# EAGLE board Mk4 Final a Panel score 2x5 (EAGLE 9.0.1), part 22 of 29 (continued)
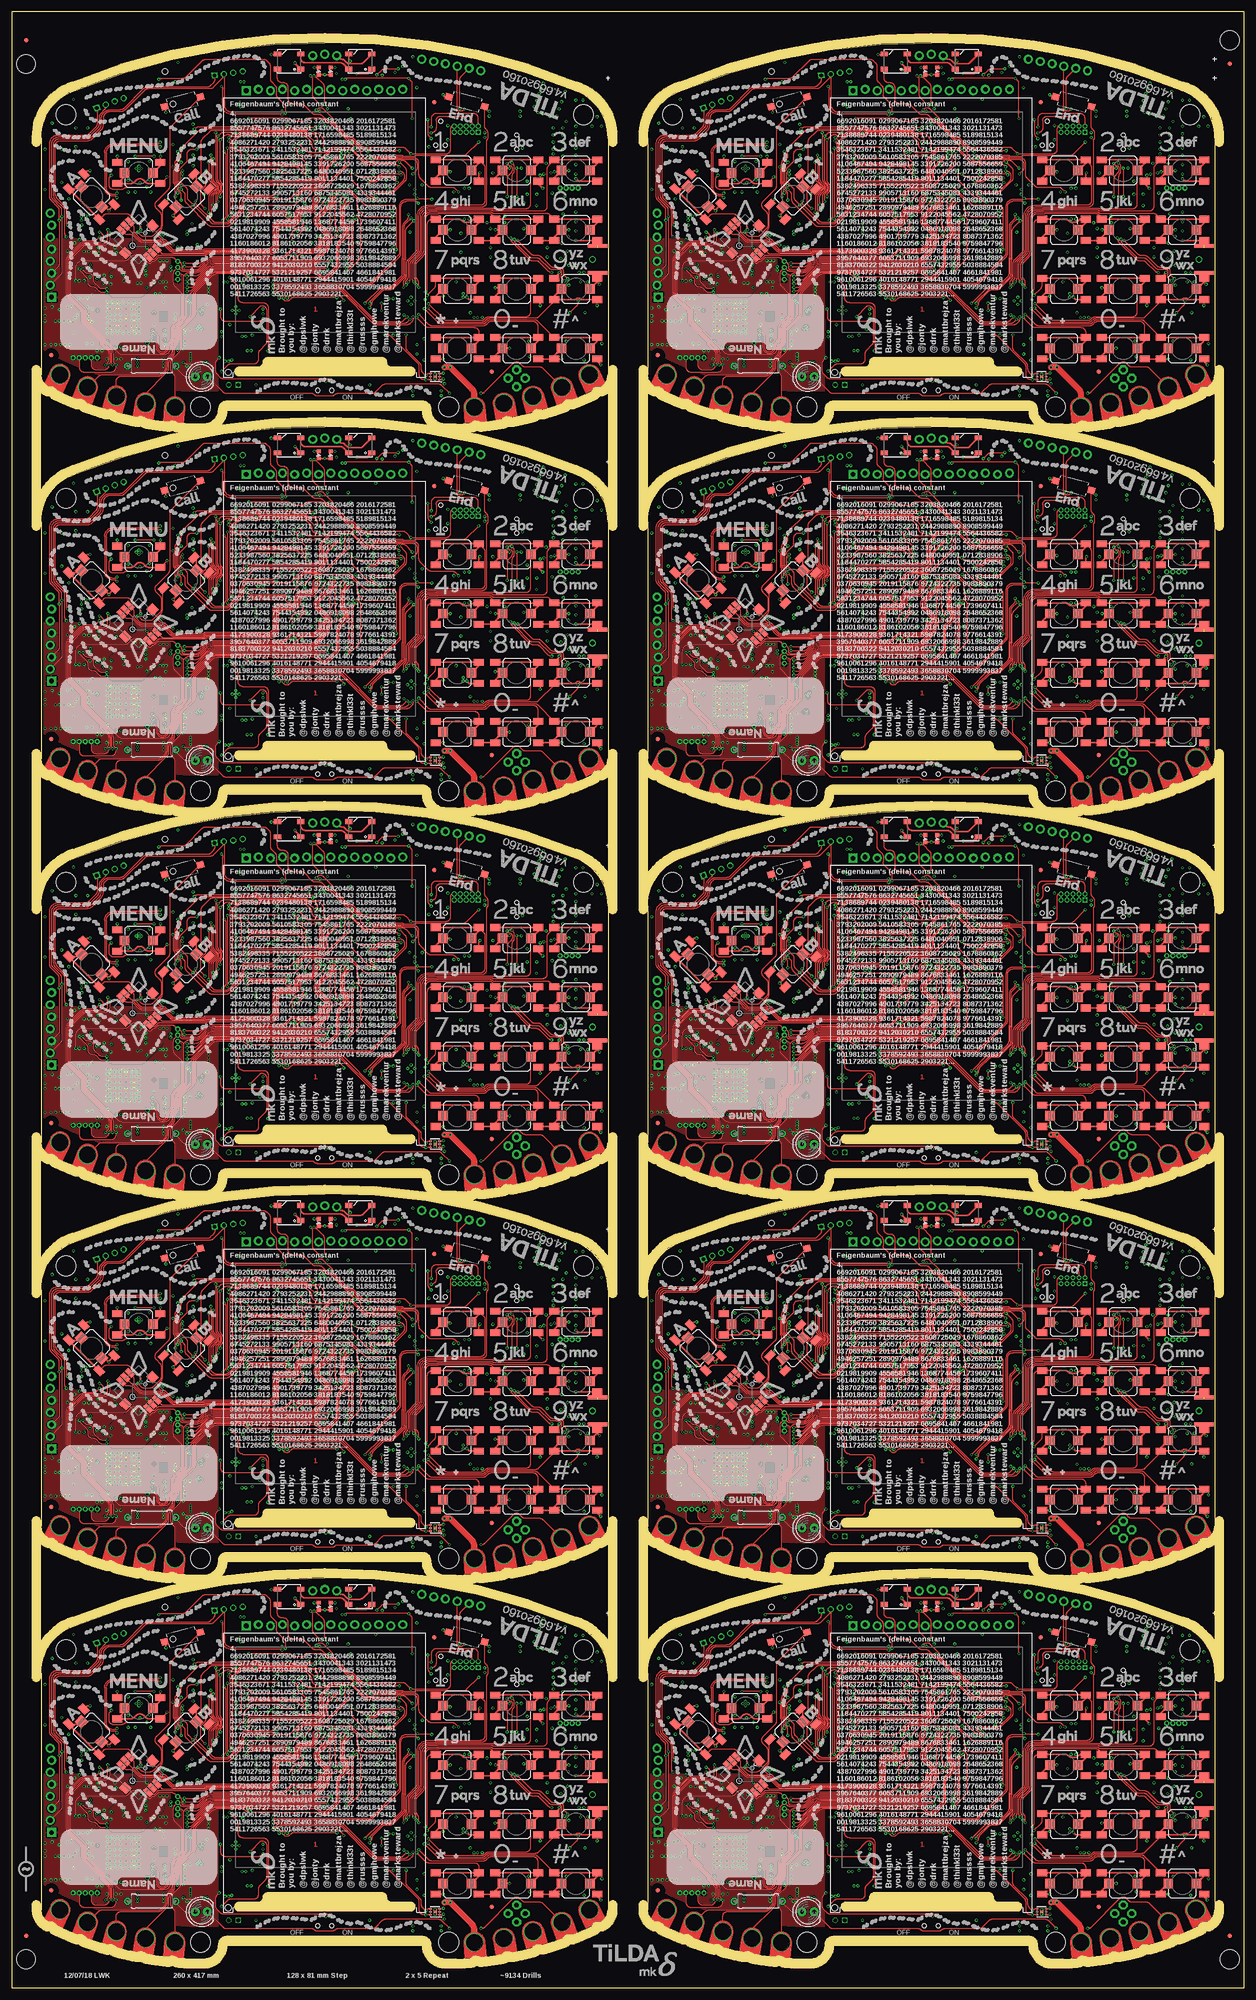
[diagram p0: board, top side]
## Tracks (layer width: path | path; a pad name or v marks a point on that pad's centre or on a via) (continued)
SIM_CLK  (via drill 0.3)
  Top 0.2: v106,45 106,44.91 arc45 106.29,44.21 109.21,41.29 arc45 109.91,41 110.84,41 arc-45 111.54,40.71 113.36,38.89 arc45 114.06,38.6 114.9,38.6 114.95,38.55 115.55,38.55 arc-90 116.05,38.05 116.05,37.8 arc-45 115.99,37.66 115.96,37.62 arc45 115.9,37.48 115.9,37.16 arc45 116.05,36.8 v116.65,36.2 | v105.5,61.15 105.5,61.12 105.75,60.87 arc-45 105.9,60.52 105.9,59.2 arc-45 105.79,58.94 arc45 105.5,58.24 v105.5,54
  3V3@2 0.2: v116.65,36.2 116.75,36.1 118,36.1 118.75,35.35 118.75,31.7 v120.93,29.52
  Bottom 0.2: J1.C3 v120.93,29.52 | v105.5,54 arc45 105.25,53.4 105.25,47.34 arc-45 105.03,46.81 104.67,46.45 arc45 104.45,45.92 104.45,45.48 arc45 104.6,45.13 104.9,44.83 arc90 105.6,44.83 105.78,45 v106,45 | R27.2 105.5,59.72 105.55,59.77 105.55,60.23 105.5,60.28 v105.5,61.15 | IC10.2 116.45,36.4 v116.65,36.2
SIM_CLK1  (via drill 0.3)
  Top 0.2: v234,45 234,44.91 arc45 234.29,44.21 237.21,41.29 arc45 237.91,41 238.84,41 arc-45 239.54,40.71 241.36,38.89 arc45 242.06,38.6 242.9,38.6 242.95,38.55 243.55,38.55 arc-90 244.05,38.05 244.05,37.8 arc-45 243.99,37.66 243.96,37.62 arc45 243.9,37.48 243.9,37.16 arc45 244.05,36.8 v244.65,36.2 | v233.5,61.15 233.5,61.12 233.75,60.87 arc-45 233.9,60.52 233.9,59.2 arc-45 233.79,58.94 arc45 233.5,58.24 v233.5,54
  3V3@2 0.2: v244.65,36.2 244.75,36.1 246,36.1 246.75,35.35 246.75,31.7 v248.93,29.52
  Bottom 0.2: J14.C3 v248.93,29.52 | v233.5,54 arc45 233.25,53.4 233.25,47.34 arc-45 233.03,46.81 232.67,46.45 arc45 232.45,45.92 232.45,45.48 arc45 232.6,45.13 232.9,44.83 arc90 233.6,44.83 233.78,45 v234,45 | R109.2 233.5,59.72 233.55,59.77 233.55,60.23 233.5,60.28 v233.5,61.15 | IC25.2 244.45,36.4 v244.65,36.2
SIM_CLK2  (via drill 0.3)
  Top 0.2: v106,126 106,125.91 arc45 106.29,125.21 109.21,122.29 arc45 109.91,122 110.84,122 arc-45 111.54,121.71 113.36,119.89 arc45 114.06,119.6 114.9,119.6 114.95,119.55 115.55,119.55 arc-90 116.05,119.05 116.05,118.8 arc-45 115.99,118.66 115.96,118.62 arc45 115.9,118.48 115.9,118.16 arc45 116.05,117.8 v116.65,117.2 | v105.5,142.15 105.5,142.12 105.75,141.87 arc-45 105.9,141.52 105.9,140.2 arc-45 105.79,139.94 arc45 105.5,139.24 v105.5,135
  3V3@2 0.2: v116.65,117.2 116.75,117.1 118,117.1 118.75,116.35 118.75,112.7 v120.93,110.52
  Bottom 0.2: J24.C3 v120.93,110.52 | v105.5,135 arc45 105.25,134.4 105.25,128.34 arc-45 105.03,127.81 104.67,127.45 arc45 104.45,126.92 104.45,126.48 arc45 104.6,126.13 104.9,125.83 arc90 105.6,125.83 105.78,126 v106,126 | R187.2 105.5,140.72 105.55,140.77 105.55,141.23 105.5,141.28 v105.5,142.15 | IC43.2 116.45,117.4 v116.65,117.2
SIM_CLK3  (via drill 0.3)
  Top 0.2: v234,126 234,125.91 arc45 234.29,125.21 237.21,122.29 arc45 237.91,122 238.84,122 arc-45 239.54,121.71 241.36,119.89 arc45 242.06,119.6 242.9,119.6 242.95,119.55 243.55,119.55 arc-90 244.05,119.05 244.05,118.8 arc-45 243.99,118.66 243.96,118.62 arc45 243.9,118.48 243.9,118.16 arc45 244.05,117.8 v244.65,117.2 | v233.5,142.15 233.5,142.12 233.75,141.87 arc-45 233.9,141.52 233.9,140.2 arc-45 233.79,139.94 arc45 233.5,139.24 v233.5,135
  3V3@2 0.2: v244.65,117.2 244.75,117.1 246,117.1 246.75,116.35 246.75,112.7 v248.93,110.52
  Bottom 0.2: J34.C3 v248.93,110.52 | v233.5,135 arc45 233.25,134.4 233.25,128.34 arc-45 233.03,127.81 232.67,127.45 arc45 232.45,126.92 232.45,126.48 arc45 232.6,126.13 232.9,125.83 arc90 233.6,125.83 233.78,126 v234,126 | R265.2 233.5,140.72 233.55,140.77 233.55,141.23 233.5,141.28 v233.5,142.15 | IC61.2 244.45,117.4 v244.65,117.2
SIM_CLK4  (via drill 0.3)
  Top 0.2: v106,207 106,206.91 arc45 106.29,206.21 109.21,203.29 arc45 109.91,203 110.84,203 arc-45 111.54,202.71 113.36,200.89 arc45 114.06,200.6 114.9,200.6 114.95,200.55 115.55,200.55 arc-90 116.05,200.05 116.05,199.8 arc-45 115.99,199.66 115.96,199.62 arc45 115.9,199.48 115.9,199.16 arc45 116.05,198.8 v116.65,198.2 | v105.5,223.15 105.5,223.12 105.75,222.87 arc-45 105.9,222.52 105.9,221.2 arc-45 105.79,220.94 arc45 105.5,220.24 v105.5,216
  3V3@2 0.2: v116.65,198.2 116.75,198.1 118,198.1 118.75,197.35 118.75,193.7 v120.93,191.52
  Bottom 0.2: J44.C3 v120.93,191.52 | v105.5,216 arc45 105.25,215.4 105.25,209.34 arc-45 105.03,208.81 104.67,208.45 arc45 104.45,207.92 104.45,207.48 arc45 104.6,207.13 104.9,206.83 arc90 105.6,206.83 105.78,207 v106,207 | R343.2 105.5,221.72 105.55,221.77 105.55,222.23 105.5,222.28 v105.5,223.15 | IC79.2 116.45,198.4 v116.65,198.2
SIM_CLK5  (via drill 0.3)
  Top 0.2: v234,207 234,206.91 arc45 234.29,206.21 237.21,203.29 arc45 237.91,203 238.84,203 arc-45 239.54,202.71 241.36,200.89 arc45 242.06,200.6 242.9,200.6 242.95,200.55 243.55,200.55 arc-90 244.05,200.05 244.05,199.8 arc-45 243.99,199.66 243.96,199.62 arc45 243.9,199.48 243.9,199.16 arc45 244.05,198.8 v244.65,198.2 | v233.5,223.15 233.5,223.12 233.75,222.87 arc-45 233.9,222.52 233.9,221.2 arc-45 233.79,220.94 arc45 233.5,220.24 v233.5,216
  3V3@2 0.2: v244.65,198.2 244.75,198.1 246,198.1 246.75,197.35 246.75,193.7 v248.93,191.52
  Bottom 0.2: J54.C3 v248.93,191.52 | v233.5,216 arc45 233.25,215.4 233.25,209.34 arc-45 233.03,208.81 232.67,208.45 arc45 232.45,207.92 232.45,207.48 arc45 232.6,207.13 232.9,206.83 arc90 233.6,206.83 233.78,207 v234,207 | R421.2 233.5,221.72 233.55,221.77 233.55,222.23 233.5,222.28 v233.5,223.15 | IC97.2 244.45,198.4 v244.65,198.2
SIM_CLK6  (via drill 0.3)
  Top 0.2: v106,288 106,287.91 arc45 106.29,287.21 109.21,284.29 arc45 109.91,284 110.84,284 arc-45 111.54,283.71 113.36,281.89 arc45 114.06,281.6 114.9,281.6 114.95,281.55 115.55,281.55 arc-90 116.05,281.05 116.05,280.8 arc-45 115.99,280.65 115.96,280.62 arc45 115.9,280.48 115.9,280.16 arc45 116.05,279.8 v116.65,279.2 | v105.5,304.15 105.5,304.12 105.75,303.87 arc-45 105.9,303.52 105.9,302.2 arc-45 105.79,301.94 arc45 105.5,301.24 v105.5,297
  3V3@2 0.2: v116.65,279.2 116.75,279.1 118,279.1 118.75,278.35 118.75,274.7 v120.93,272.52
  Bottom 0.2: J64.C3 v120.93,272.52 | v105.5,297 arc45 105.25,296.4 105.25,290.34 arc-45 105.03,289.81 104.67,289.45 arc45 104.45,288.92 104.45,288.48 arc45 104.6,288.13 104.9,287.83 arc90 105.6,287.83 105.78,288 v106,288 | R499.2 105.5,302.72 105.55,302.77 105.55,303.23 105.5,303.28 v105.5,304.15 | IC115.2 116.45,279.4 v116.65,279.2
SIM_CLK7  (via drill 0.3)
  Top 0.2: v234,288 234,287.91 arc45 234.29,287.21 237.21,284.29 arc45 237.91,284 238.84,284 arc-45 239.54,283.71 241.36,281.89 arc45 242.06,281.6 242.9,281.6 242.95,281.55 243.55,281.55 arc-90 244.05,281.05 244.05,280.8 arc-45 243.99,280.65 243.96,280.62 arc45 243.9,280.48 243.9,280.16 arc45 244.05,279.8 v244.65,279.2 | v233.5,304.15 233.5,304.12 233.75,303.87 arc-45 233.9,303.52 233.9,302.2 arc-45 233.79,301.94 arc45 233.5,301.24 v233.5,297
  3V3@2 0.2: v244.65,279.2 244.75,279.1 246,279.1 246.75,278.35 246.75,274.7 v248.93,272.52
  Bottom 0.2: J74.C3 v248.93,272.52 | v233.5,297 arc45 233.25,296.4 233.25,290.34 arc-45 233.03,289.81 232.67,289.45 arc45 232.45,288.92 232.45,288.48 arc45 232.6,288.13 232.9,287.83 arc90 233.6,287.83 233.78,288 v234,288 | R577.2 233.5,302.72 233.55,302.77 233.55,303.23 233.5,303.28 v233.5,304.15 | IC133.2 244.45,279.4 v244.65,279.2
SIM_CLK8  (via drill 0.3)
  Top 0.2: v106,369 106,368.91 arc45 106.29,368.21 109.21,365.29 arc45 109.91,365 110.84,365 arc-45 111.54,364.71 113.36,362.89 arc45 114.06,362.6 114.9,362.6 114.95,362.55 115.55,362.55 arc-90 116.05,362.05 116.05,361.8 arc-45 115.99,361.65 115.96,361.62 arc45 115.9,361.48 115.9,361.16 arc45 116.05,360.8 v116.65,360.2 | v105.5,385.15 105.5,385.12 105.75,384.87 arc-45 105.9,384.52 105.9,383.2 arc-45 105.79,382.94 arc45 105.5,382.24 v105.5,378
  3V3@2 0.2: v116.65,360.2 116.75,360.1 118,360.1 118.75,359.35 118.75,355.7 v120.93,353.52
  Bottom 0.2: J84.C3 v120.93,353.52 | v105.5,378 arc45 105.25,377.4 105.25,371.34 arc-45 105.03,370.81 104.67,370.45 arc45 104.45,369.92 104.45,369.48 arc45 104.6,369.13 104.9,368.83 arc90 105.6,368.83 105.78,369 v106,369 | R655.2 105.5,383.72 105.55,383.77 105.55,384.23 105.5,384.28 v105.5,385.15 | IC151.2 116.45,360.4 v116.65,360.2
SIM_CLK9  (via drill 0.3)
  Top 0.2: v234,369 234,368.91 arc45 234.29,368.21 237.21,365.29 arc45 237.91,365 238.84,365 arc-45 239.54,364.71 241.36,362.89 arc45 242.06,362.6 242.9,362.6 242.95,362.55 243.55,362.55 arc-90 244.05,362.05 244.05,361.8 arc-45 243.99,361.65 243.96,361.62 arc45 243.9,361.48 243.9,361.16 arc45 244.05,360.8 v244.65,360.2 | v233.5,385.15 233.5,385.12 233.75,384.87 arc-45 233.9,384.52 233.9,383.2 arc-45 233.79,382.94 arc45 233.5,382.24 v233.5,378
  3V3@2 0.2: v244.65,360.2 244.75,360.1 246,360.1 246.75,359.35 246.75,355.7 v248.93,353.52
  Bottom 0.2: J94.C3 v248.93,353.52 | v233.5,378 arc45 233.25,377.4 233.25,371.34 arc-45 233.03,370.81 232.67,370.45 arc45 232.45,369.92 232.45,369.48 arc45 232.6,369.13 232.9,368.83 arc90 233.6,368.83 233.78,369 v234,369 | R733.2 233.5,383.72 233.55,383.77 233.55,384.23 233.5,384.28 v233.5,385.15 | IC169.2 244.45,360.4 v244.65,360.2
SIM_CLK_R
  Bottom 0.2: IC5.16 105.4,57.9 R27.1 C49.2
SIM_CLK_R1
  Bottom 0.2: IC21.16 233.4,57.9 R109.1 C156.2
SIM_CLK_R2
  Bottom 0.2: IC39.16 105.4,138.9 R187.1 C264.2
SIM_CLK_R3
  Bottom 0.2: IC57.16 233.4,138.9 R265.1 C372.2
SIM_CLK_R4
  Bottom 0.2: IC75.16 105.4,219.9 R343.1 C480.2
SIM_CLK_R5
  Bottom 0.2: IC93.16 233.4,219.9 R421.1 C588.2
SIM_CLK_R6
  Bottom 0.2: IC111.16 105.4,300.9 R499.1 C696.2
SIM_CLK_R7
  Bottom 0.2: IC129.16 233.4,300.9 R577.1 C804.2
SIM_CLK_R8
  Bottom 0.2: IC147.16 105.4,381.9 R655.1 C912.2
SIM_CLK_R9
  Bottom 0.2: IC165.16 233.4,381.9 R733.1 C1020.2
SIM_CTS
  Bottom 0.2: R34.1 92.5,44.25 TP4.TP
SIM_CTS1
  Bottom 0.2: R117.1 220.5,44.25 TP23.TP
SIM_CTS2
  Bottom 0.2: R195.1 92.5,125.25 TP42.TP
SIM_CTS3
  Bottom 0.2: R273.1 220.5,125.25 TP61.TP
SIM_CTS4
  Bottom 0.2: R351.1 92.5,206.25 TP80.TP
SIM_CTS5
  Bottom 0.2: R429.1 220.5,206.25 TP99.TP
SIM_CTS6
  Bottom 0.2: R507.1 92.5,287.25 TP118.TP
SIM_CTS7
  Bottom 0.2: R585.1 220.5,287.25 TP137.TP
SIM_CTS8
  Bottom 0.2: R663.1 92.5,368.25 TP156.TP
SIM_CTS9
  Bottom 0.2: R741.1 220.5,368.25 TP175.TP
SIM_CTS_R
  Bottom 0.15: IC5.4 R34.2
SIM_CTS_R1
  Bottom 0.15: IC21.4 R117.2
SIM_CTS_R2
  Bottom 0.15: IC39.4 R195.2
SIM_CTS_R3
  Bottom 0.15: IC57.4 R273.2
SIM_CTS_R4
  Bottom 0.15: IC75.4 R351.2
SIM_CTS_R5
  Bottom 0.15: IC93.4 R429.2
SIM_CTS_R6
  Bottom 0.15: IC111.4 R507.2
SIM_CTS_R7
  Bottom 0.15: IC129.4 R585.2
SIM_CTS_R8
  Bottom 0.15: IC147.4 R663.2
SIM_CTS_R9
  Bottom 0.15: IC165.4 R741.2
SIM_D_N
  Bottom 0.25: IC5.26 115.35,48.65 115.7,49 116.1,49 arc90 117.8,50.7 117.8,55.37 arc-90 JP9.2
SIM_D_N1
  Bottom 0.25: IC21.26 243.35,48.65 243.7,49 244.1,49 arc90 245.8,50.7 245.8,55.37 arc-90 JP14.2
SIM_D_N2
  Bottom 0.25: IC39.26 115.35,129.65 115.7,130 116.1,130 arc90 117.8,131.7 117.8,136.37 arc-90 JP23.2
SIM_D_N3
  Bottom 0.25: IC57.26 243.35,129.65 243.7,130 244.1,130 arc90 245.8,131.7 245.8,136.37 arc-90 JP32.2
SIM_D_N4
  Bottom 0.25: IC75.26 115.35,210.65 115.7,211 116.1,211 arc90 117.8,212.7 117.8,217.37 arc-90 JP41.2
SIM_D_N5
  Bottom 0.25: IC93.26 243.35,210.65 243.7,211 244.1,211 arc90 245.8,212.7 245.8,217.37 arc-90 JP50.2
SIM_D_N6
  Bottom 0.25: IC111.26 115.35,291.65 115.7,292 116.1,292 arc90 117.8,293.7 117.8,298.37 arc-90 JP59.2
SIM_D_N7
  Bottom 0.25: IC129.26 243.35,291.65 243.7,292 244.1,292 arc90 245.8,293.7 245.8,298.37 arc-90 JP68.2
SIM_D_N8
  Bottom 0.25: IC147.26 115.35,372.65 115.7,373 116.1,373 arc90 117.8,374.7 117.8,379.37 arc-90 JP77.2
SIM_D_N9
  Bottom 0.25: IC165.26 243.35,372.65 243.7,373 244.1,373 arc90 245.8,374.7 245.8,379.37 arc-90 JP86.2
SIM_D_P
  Bottom 0.25: IC5.25 115.35,49.75 115.7,49.4 116.1,49.4 arc90 117.4,50.7 117.4,55.36 arc90 JP9.3
SIM_D_P1
  Bottom 0.25: IC21.25 243.35,49.75 243.7,49.4 244.1,49.4 arc90 245.4,50.7 245.4,55.36 arc90 JP14.3
SIM_D_P2
  Bottom 0.25: IC39.25 115.35,130.75 115.7,130.4 116.1,130.4 arc90 117.4,131.7 117.4,136.36 arc90 JP23.3
SIM_D_P3
  Bottom 0.25: IC57.25 243.35,130.75 243.7,130.4 244.1,130.4 arc90 245.4,131.7 245.4,136.36 arc90 JP32.3
SIM_D_P4
  Bottom 0.25: IC75.25 115.35,211.75 115.7,211.4 116.1,211.4 arc90 117.4,212.7 117.4,217.36 arc90 JP41.3
SIM_D_P5
  Bottom 0.25: IC93.25 243.35,211.75 243.7,211.4 244.1,211.4 arc90 245.4,212.7 245.4,217.36 arc90 JP50.3
SIM_D_P6
  Bottom 0.25: IC111.25 115.35,292.75 115.7,292.4 116.1,292.4 arc90 117.4,293.7 117.4,298.36 arc90 JP59.3
SIM_D_P7
  Bottom 0.25: IC129.25 243.35,292.75 243.7,292.4 244.1,292.4 arc90 245.4,293.7 245.4,298.36 arc90 JP68.3
SIM_D_P8
  Bottom 0.25: IC147.25 115.35,373.75 115.7,373.4 116.1,373.4 arc90 117.4,374.7 117.4,379.36 arc90 JP77.3
SIM_D_P9
  Bottom 0.25: IC165.25 243.35,373.75 243.7,373.4 244.1,373.4 arc90 245.4,374.7 245.4,379.36 arc90 JP86.3
SIM_DATA  (via drill 0.3)
  Top 0.2: v117.75,29.5 119.21,30.96 arc45 119.5,31.66 v119.5,32 | v104.5,54 104.5,57.73 arc-45 104.79,58.44 105.26,58.9 arc45 105.55,59.61 105.55,60.05 arc90 105.05,60.55 104.95,60.55 v104.5,61 | v106.75,44.75 109.71,41.79 arc45 110.41,41.5 111.09,41.5 arc-45 111.79,41.21 113.71,39.29 arc45 114.41,39 115.04,39 arc-45 115.14,38.96 arc45 115.28,38.9 115.9,38.9 arc-90 116.4,38.4 116.4,37.76 arc45 116.55,37.4 v117.3,36.65
  3V3@2 0.2: v119.5,32 119.25,32.25 119.25,35.45 118.05,36.65 v117.3,36.65
  Bottom 0.2: J1.C7 116.87,29.5 v117.75,29.5 | v104.5,54 arc-45 104.75,53.4 104.75,47.33 arc-45 104.53,46.8 104.32,46.59 arc45 104.1,46.06 104.1,45.44 arc45 104.32,44.91 104.8,44.43 arc90 106.21,44.43 106.53,44.75 v106.75,44.75 | R26.2 103.5,59.59 arc-45 103.79,60.29 v104.5,61 | IC10.1 116.7,36.9 arc-45 v117.3,36.65
SIM_DATA1  (via drill 0.3)
  Top 0.2: v245.75,29.5 247.21,30.96 arc45 247.5,31.66 v247.5,32 | v232.5,54 232.5,57.73 arc-45 232.79,58.44 233.26,58.9 arc45 233.55,59.61 233.55,60.05 arc90 233.05,60.55 232.95,60.55 v232.5,61 | v234.75,44.75 237.71,41.79 arc45 238.41,41.5 239.09,41.5 arc-45 239.79,41.21 241.71,39.29 arc45 242.41,39 243.04,39 arc-45 243.14,38.96 arc45 243.28,38.9 243.9,38.9 arc-90 244.4,38.4 244.4,37.76 arc45 244.55,37.4 v245.3,36.65
  3V3@2 0.2: v247.5,32 247.25,32.25 247.25,35.45 246.05,36.65 v245.3,36.65
  Bottom 0.2: J14.C7 244.87,29.5 v245.75,29.5 | v232.5,54 arc-45 232.75,53.4 232.75,47.33 arc-45 232.53,46.8 232.32,46.59 arc45 232.1,46.06 232.1,45.44 arc45 232.32,44.91 232.79,44.43 arc90 234.21,44.43 234.53,44.75 v234.75,44.75 | R108.2 231.5,59.59 arc-45 231.79,60.29 v232.5,61 | IC25.1 244.7,36.9 arc-45 v245.3,36.65
SIM_DATA2  (via drill 0.3)
  Top 0.2: v117.75,110.5 119.21,111.96 arc45 119.5,112.66 v119.5,113 | v104.5,135 104.5,138.73 arc-45 104.79,139.44 105.26,139.9 arc45 105.55,140.61 105.55,141.05 arc90 105.05,141.55 104.95,141.55 v104.5,142 | v106.75,125.75 109.71,122.79 arc45 110.41,122.5 111.09,122.5 arc-45 111.79,122.21 113.71,120.29 arc45 114.41,120 115.04,120 arc-45 115.14,119.96 arc45 115.28,119.9 115.9,119.9 arc-90 116.4,119.4 116.4,118.76 arc45 116.55,118.4 v117.3,117.65
  3V3@2 0.2: v119.5,113 119.25,113.25 119.25,116.45 118.05,117.65 v117.3,117.65
  Bottom 0.2: J24.C7 116.87,110.5 v117.75,110.5 | v104.5,135 arc-45 104.75,134.4 104.75,128.33 arc-45 104.53,127.8 104.32,127.59 arc45 104.1,127.06 104.1,126.44 arc45 104.32,125.91 104.8,125.43 arc90 106.21,125.43 106.53,125.75 v106.75,125.75 | R186.2 103.5,140.59 arc-45 103.79,141.29 v104.5,142 | IC43.1 116.7,117.9 arc-45 v117.3,117.65
SIM_DATA3  (via drill 0.3)
  Top 0.2: v245.75,110.5 247.21,111.96 arc45 247.5,112.66 v247.5,113 | v232.5,135 232.5,138.73 arc-45 232.79,139.44 233.26,139.9 arc45 233.55,140.61 233.55,141.05 arc90 233.05,141.55 232.95,141.55 v232.5,142 | v234.75,125.75 237.71,122.79 arc45 238.41,122.5 239.09,122.5 arc-45 239.79,122.21 241.71,120.29 arc45 242.41,120 243.04,120 arc-45 243.14,119.96 arc45 243.28,119.9 243.9,119.9 arc-90 244.4,119.4 244.4,118.76 arc45 244.55,118.4 v245.3,117.65
  3V3@2 0.2: v247.5,113 247.25,113.25 247.25,116.45 246.05,117.65 v245.3,117.65
  Bottom 0.2: J34.C7 244.87,110.5 v245.75,110.5 | v232.5,135 arc-45 232.75,134.4 232.75,128.33 arc-45 232.53,127.8 232.32,127.59 arc45 232.1,127.06 232.1,126.44 arc45 232.32,125.91 232.79,125.43 arc90 234.21,125.43 234.53,125.75 v234.75,125.75 | R264.2 231.5,140.59 arc-45 231.79,141.29 v232.5,142 | IC61.1 244.7,117.9 arc-45 v245.3,117.65
SIM_DATA4  (via drill 0.3)
  Top 0.2: v117.75,191.5 119.21,192.96 arc45 119.5,193.66 v119.5,194 | v104.5,216 104.5,219.73 arc-45 104.79,220.44 105.26,220.9 arc45 105.55,221.61 105.55,222.05 arc90 105.05,222.55 104.95,222.55 v104.5,223 | v106.75,206.75 109.71,203.79 arc45 110.41,203.5 111.09,203.5 arc-45 111.79,203.21 113.71,201.29 arc45 114.41,201 115.04,201 arc-45 115.14,200.96 arc45 115.28,200.9 115.9,200.9 arc-90 116.4,200.4 116.4,199.76 arc45 116.55,199.4 v117.3,198.65
  3V3@2 0.2: v119.5,194 119.25,194.25 119.25,197.45 118.05,198.65 v117.3,198.65
  Bottom 0.2: J44.C7 116.87,191.5 v117.75,191.5 | v104.5,216 arc-45 104.75,215.4 104.75,209.33 arc-45 104.53,208.8 104.32,208.59 arc45 104.1,208.06 104.1,207.44 arc45 104.32,206.91 104.8,206.43 arc90 106.21,206.43 106.53,206.75 v106.75,206.75 | R342.2 103.5,221.59 arc-45 103.79,222.29 v104.5,223 | IC79.1 116.7,198.9 arc-45 v117.3,198.65
SIM_DATA5  (via drill 0.3)
  Top 0.2: v245.75,191.5 247.21,192.96 arc45 247.5,193.66 v247.5,194 | v232.5,216 232.5,219.73 arc-45 232.79,220.44 233.26,220.9 arc45 233.55,221.61 233.55,222.05 arc90 233.05,222.55 232.95,222.55 v232.5,223 | v234.75,206.75 237.71,203.79 arc45 238.41,203.5 239.09,203.5 arc-45 239.79,203.21 241.71,201.29 arc45 242.41,201 243.04,201 arc-45 243.14,200.96 arc45 243.28,200.9 243.9,200.9 arc-90 244.4,200.4 244.4,199.76 arc45 244.55,199.4 v245.3,198.65
  3V3@2 0.2: v247.5,194 247.25,194.25 247.25,197.45 246.05,198.65 v245.3,198.65
  Bottom 0.2: J54.C7 244.87,191.5 v245.75,191.5 | v232.5,216 arc-45 232.75,215.4 232.75,209.33 arc-45 232.53,208.8 232.32,208.59 arc45 232.1,208.06 232.1,207.44 arc45 232.32,206.91 232.79,206.43 arc90 234.21,206.43 234.53,206.75 v234.75,206.75 | R420.2 231.5,221.59 arc-45 231.79,222.29 v232.5,223 | IC97.1 244.7,198.9 arc-45 v245.3,198.65
SIM_DATA6  (via drill 0.3)
  Top 0.2: v117.75,272.5 119.21,273.96 arc45 119.5,274.66 v119.5,275 | v104.5,297 104.5,300.73 arc-45 104.79,301.44 105.26,301.9 arc45 105.55,302.61 105.55,303.05 arc90 105.05,303.55 104.95,303.55 v104.5,304 | v106.75,287.75 109.71,284.79 arc45 110.41,284.5 111.09,284.5 arc-45 111.79,284.21 113.71,282.29 arc45 114.41,282 115.04,282 arc-45 115.14,281.96 arc45 115.28,281.9 115.9,281.9 arc-90 116.4,281.4 116.4,280.76 arc45 116.55,280.4 v117.3,279.65
  3V3@2 0.2: v119.5,275 119.25,275.25 119.25,278.45 118.05,279.65 v117.3,279.65
  Bottom 0.2: J64.C7 116.87,272.5 v117.75,272.5 | v104.5,297 arc-45 104.75,296.4 104.75,290.33 arc-45 104.53,289.8 104.32,289.59 arc45 104.1,289.06 104.1,288.44 arc45 104.32,287.91 104.8,287.43 arc90 106.21,287.43 106.53,287.75 v106.75,287.75 | R498.2 103.5,302.59 arc-45 103.79,303.29 v104.5,304 | IC115.1 116.7,279.9 arc-45 v117.3,279.65
SIM_DATA7  (via drill 0.3)
  Top 0.2: v245.75,272.5 247.21,273.96 arc45 247.5,274.66 v247.5,275 | v232.5,297 232.5,300.73 arc-45 232.79,301.44 233.26,301.9 arc45 233.55,302.61 233.55,303.05 arc90 233.05,303.55 232.95,303.55 v232.5,304 | v234.75,287.75 237.71,284.79 arc45 238.41,284.5 239.09,284.5 arc-45 239.79,284.21 241.71,282.29 arc45 242.41,282 243.04,282 arc-45 243.14,281.96 arc45 243.28,281.9 243.9,281.9 arc-90 244.4,281.4 244.4,280.76 arc45 244.55,280.4 v245.3,279.65
  3V3@2 0.2: v247.5,275 247.25,275.25 247.25,278.45 246.05,279.65 v245.3,279.65
  Bottom 0.2: J74.C7 244.87,272.5 v245.75,272.5 | v232.5,297 arc-45 232.75,296.4 232.75,290.33 arc-45 232.53,289.8 232.32,289.59 arc45 232.1,289.06 232.1,288.44 arc45 232.32,287.91 232.79,287.43 arc90 234.21,287.43 234.53,287.75 v234.75,287.75 | R576.2 231.5,302.59 arc-45 231.79,303.29 v232.5,304 | IC133.1 244.7,279.9 arc-45 v245.3,279.65
SIM_DATA8  (via drill 0.3)
  Top 0.2: v117.75,353.5 119.21,354.96 arc45 119.5,355.66 v119.5,356 | v104.5,378 104.5,381.73 arc-45 104.79,382.44 105.26,382.9 arc45 105.55,383.61 105.55,384.05 arc90 105.05,384.55 104.95,384.55 v104.5,385 | v106.75,368.75 109.71,365.79 arc45 110.41,365.5 111.09,365.5 arc-45 111.79,365.21 113.71,363.29 arc45 114.41,363 115.04,363 arc-45 115.14,362.96 arc45 115.28,362.9 115.9,362.9 arc-90 116.4,362.4 116.4,361.76 arc45 116.55,361.4 v117.3,360.65
  3V3@2 0.2: v119.5,356 119.25,356.25 119.25,359.45 118.05,360.65 v117.3,360.65
  Bottom 0.2: J84.C7 116.87,353.5 v117.75,353.5 | v104.5,378 arc-45 104.75,377.4 104.75,371.33 arc-45 104.53,370.8 104.32,370.59 arc45 104.1,370.06 104.1,369.44 arc45 104.32,368.91 104.8,368.43 arc90 106.21,368.43 106.53,368.75 v106.75,368.75 | R654.2 103.5,383.59 arc-45 103.79,384.29 v104.5,385 | IC151.1 116.7,360.9 arc-45 v117.3,360.65
SIM_DATA9  (via drill 0.3)
  Top 0.2: v245.75,353.5 247.21,354.96 arc45 247.5,355.66 v247.5,356 | v232.5,378 232.5,381.73 arc-45 232.79,382.44 233.26,382.9 arc45 233.55,383.61 233.55,384.05 arc90 233.05,384.55 232.95,384.55 v232.5,385 | v234.75,368.75 237.71,365.79 arc45 238.41,365.5 239.09,365.5 arc-45 239.79,365.21 241.71,363.29 arc45 242.41,363 243.04,363 arc-45 243.14,362.96 arc45 243.28,362.9 243.9,362.9 arc-90 244.4,362.4 244.4,361.76 arc45 244.55,361.4 v245.3,360.65
  3V3@2 0.2: v247.5,356 247.25,356.25 247.25,359.45 246.05,360.65 v245.3,360.65
  Bottom 0.2: J94.C7 244.87,353.5 v245.75,353.5 | v232.5,378 arc-45 232.75,377.4 232.75,371.33 arc-45 232.53,370.8 232.32,370.59 arc45 232.1,370.06 232.1,369.44 arc45 232.32,368.91 232.79,368.43 arc90 234.21,368.43 234.53,368.75 v234.75,368.75 | R732.2 231.5,383.59 arc-45 231.79,384.29 v232.5,385 | IC169.1 244.7,360.9 arc-45 v245.3,360.65
SIM_DATA_R
  Bottom 0.2: C50.2 R26.1 103.5,57.91 arc45 103.79,57.21 104.01,56.99 arc-45 104.3,56.29 IC5.15
SIM_DATA_R1
  Bottom 0.2: C157.2 R108.1 231.5,57.91 arc45 231.79,57.21 232.01,56.99 arc-45 232.3,56.29 IC21.15
SIM_DATA_R2
  Bottom 0.2: C265.2 R186.1 103.5,138.91 arc45 103.79,138.21 104.01,137.99 arc-45 104.3,137.29 IC39.15
SIM_DATA_R3
  Bottom 0.2: C373.2 R264.1 231.5,138.91 arc45 231.79,138.21 232.01,137.99 arc-45 232.3,137.29 IC57.15
SIM_DATA_R4
  Bottom 0.2: C481.2 R342.1 103.5,219.91 arc45 103.79,219.21 104.01,218.99 arc-45 104.3,218.29 IC75.15
SIM_DATA_R5
  Bottom 0.2: C589.2 R420.1 231.5,219.91 arc45 231.79,219.21 232.01,218.99 arc-45 232.3,218.29 IC93.15
SIM_DATA_R6
  Bottom 0.2: C697.2 R498.1 103.5,300.91 arc45 103.79,300.21 104.01,299.99 arc-45 104.3,299.29 IC111.15
SIM_DATA_R7
  Bottom 0.2: C805.2 R576.1 231.5,300.91 arc45 231.79,300.21 232.01,299.99 arc-45 232.3,299.29 IC129.15
SIM_DATA_R8
  Bottom 0.2: C913.2 R654.1 103.5,381.91 arc45 103.79,381.21 104.01,380.99 arc-45 104.3,380.29 IC147.15
SIM_DATA_R9
  Bottom 0.2: C1021.2 R732.1 231.5,381.91 arc45 231.79,381.21 232.01,380.99 arc-45 232.3,380.29 IC165.15
SIM_DCD
  Bottom 0.2: R33.1 94,45.25 TP3.TP
SIM_DCD1
  Bottom 0.2: R116.1 222,45.25 TP22.TP
SIM_DCD2
  Bottom 0.2: R194.1 94,126.25 TP41.TP
SIM_DCD3
  Bottom 0.2: R272.1 222,126.25 TP60.TP
SIM_DCD4
  Bottom 0.2: R350.1 94,207.25 TP79.TP
SIM_DCD5
  Bottom 0.2: R428.1 222,207.25 TP98.TP
SIM_DCD6
  Bottom 0.2: R506.1 94,288.25 TP117.TP
SIM_DCD7
  Bottom 0.2: R584.1 222,288.25 TP136.TP
SIM_DCD8
  Bottom 0.2: R662.1 94,369.25 TP155.TP
SIM_DCD9
  Bottom 0.2: R740.1 222,369.25 TP174.TP
SIM_DCD_R
  Bottom 0.15: IC5.5 96.6,45.35 R33.2
SIM_DCD_R1
  Bottom 0.15: IC21.5 224.6,45.35 R116.2
SIM_DCD_R2
  Bottom 0.15: IC39.5 96.6,126.35 R194.2
SIM_DCD_R3
  Bottom 0.15: IC57.5 224.6,126.35 R272.2
SIM_DCD_R4
  Bottom 0.15: IC75.5 96.6,207.35 R350.2
SIM_DCD_R5
  Bottom 0.15: IC93.5 224.6,207.35 R428.2
SIM_DCD_R6
  Bottom 0.15: IC111.5 96.6,288.35 R506.2
SIM_DCD_R7
  Bottom 0.15: IC129.5 224.6,288.35 R584.2
SIM_DCD_R8
  Bottom 0.15: IC147.5 96.6,369.35 R662.2
SIM_DCD_R9
  Bottom 0.15: IC165.5 224.6,369.35 R740.2
SIM_DET
  Bottom 0.2: IC5.14 103.2,41 arc90 104.2,40 111.09,40 arc-45 111.79,39.71 112.71,38.79 arc-45 113,38.09 R29.2 113,34.41 arc45 113.29,33.71 114.65,32.35 arc45 115.35,32.06 J1.C8
SIM_DET1
  Bottom 0.2: IC21.14 231.2,41 arc90 232.2,40 239.09,40 arc-45 239.79,39.71 240.71,38.79 arc-45 241,38.09 R111.2 241,34.41 arc45 241.29,33.71 242.65,32.35 arc45 243.35,32.06 J14.C8
SIM_DET2
  Bottom 0.2: IC39.14 103.2,122 arc90 104.2,121 111.09,121 arc-45 111.79,120.71 112.71,119.79 arc-45 113,119.09 R189.2 113,115.41 arc45 113.29,114.71 114.65,113.35 arc45 115.35,113.06 J24.C8
SIM_DET3
  Bottom 0.2: IC57.14 231.2,122 arc90 232.2,121 239.09,121 arc-45 239.79,120.71 240.71,119.79 arc-45 241,119.09 R267.2 241,115.41 arc45 241.29,114.71 242.65,113.35 arc45 243.35,113.06 J34.C8
SIM_DET4
  Bottom 0.2: IC75.14 103.2,203 arc90 104.2,202 111.09,202 arc-45 111.79,201.71 112.71,200.79 arc-45 113,200.09 R345.2 113,196.41 arc45 113.29,195.71 114.65,194.35 arc45 115.35,194.06 J44.C8
SIM_DET5
  Bottom 0.2: IC93.14 231.2,203 arc90 232.2,202 239.09,202 arc-45 239.79,201.71 240.71,200.79 arc-45 241,200.09 R423.2 241,196.41 arc45 241.29,195.71 242.65,194.35 arc45 243.35,194.06 J54.C8
SIM_DET6
  Bottom 0.2: IC111.14 103.2,284 arc90 104.2,283 111.09,283 arc-45 111.79,282.71 112.71,281.79 arc-45 113,281.09 R501.2 113,277.41 arc45 113.29,276.71 114.65,275.35 arc45 115.35,275.06 J64.C8
SIM_DET7